# KiCad board HPM62_63_144_ADC_EVK_RevB.kicad_pcb (continued)
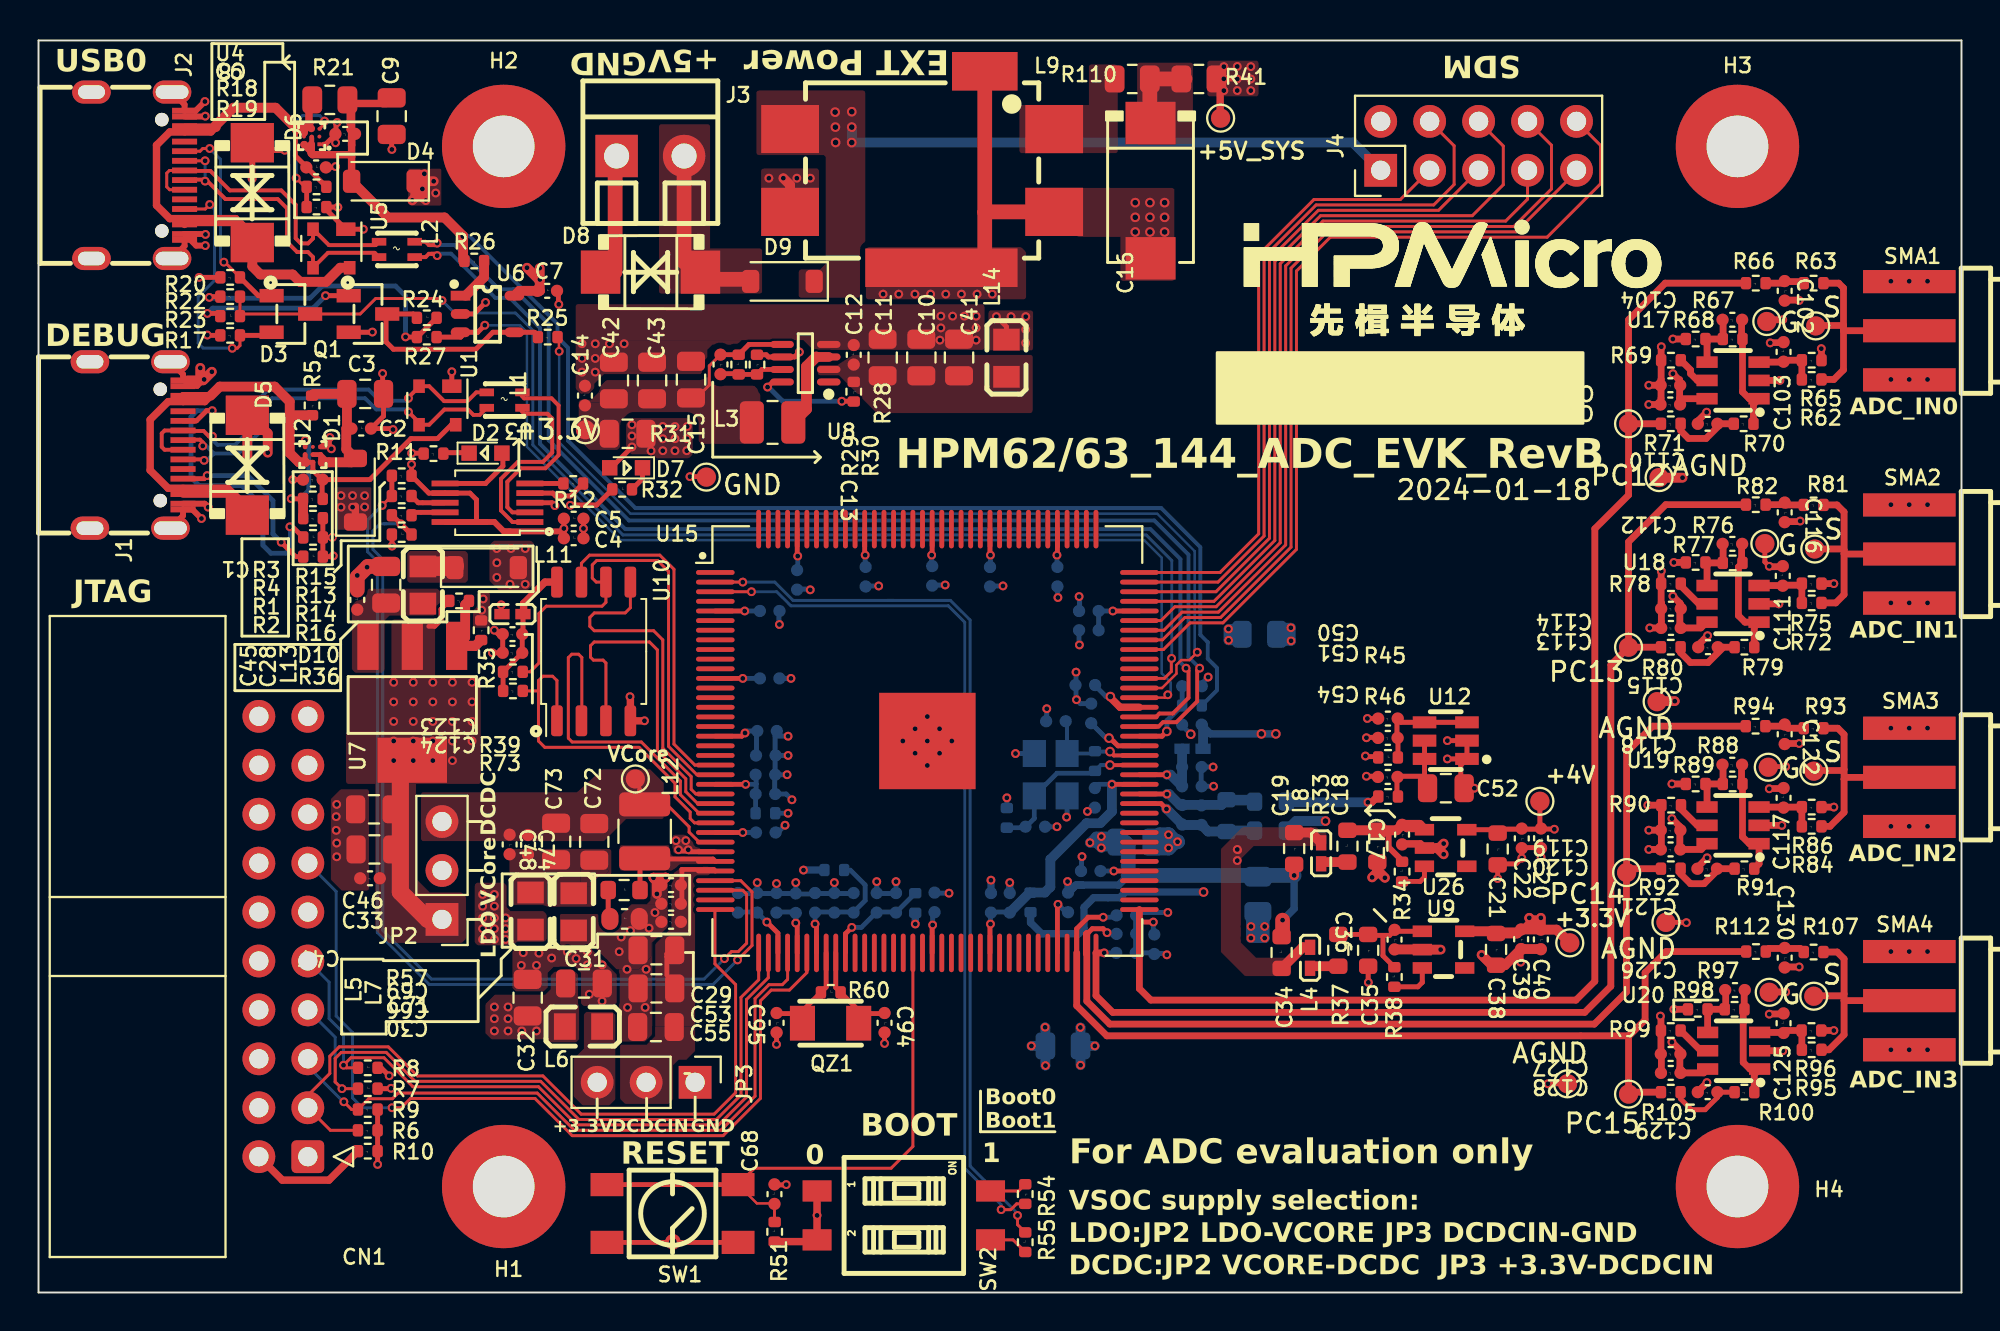
[diagram p0: board, top side]
## Library data of the parts (continued)
R71 R80 R92 R105 = -: Description: Resistor; Company: YAGEO(国巨); DNP: DNP; Model: RC0402JR-070RL
R104 = -: Description: Resistor; Company: UNI-ROYAL(厚声); Model: CQ02WGJ0105TCE
R110 = -: Description: Resistor; Company: UNI-ROYAL(厚声); Model: RS-05L1R00FT
SMA1-SMA4 = -: SuppliersPartNumber: C9900018296; uuid: std:54ec4f79ad824cb2bdc504487557a48c
SW1 = -: Company: SHOU HAN(首韩); Model: TS4540TP; SuppliersPartNumber: C221747
SW2 = -: Company: 圜达; SuppliersPartNumber: C501304
TP2-TP4 TP6 TP7 TP28 = -: Description: test point
TP11-TP13 TP15-TP25 TP29 TP30 = -: Description: test point; Category: Test and Measurement; DK_Datasheet_Link: http://www.keyelco.com/product-pdf.cfm?p=1311; DK_Detail_Page: /product-detail/en/keystone-electronics/5002/36-5002-ND/255328; Digi-Key_PN: 36-5002-ND; Family: Test Points; MPN: 5002; Manufacturer: Keystone Electronics; Status: Active
U1 = -: Description: 静电放电(ESD)保护器件; COMPONENTLINK1DESCRIPTION: ErpDataInfo; COMPONENTLINK1URL: http://erp.zlgmcu.com/ErpExt/ErpData/ListMateriel.aspx?pkey=1.05.10.0153; Company: TECH PUBLIC(台舟); ROHS: RoHS; 厂商: NXP; 名称: 集成电路; 器件优选方案: 量产物料,优先选用; 封装: SOT-143B; 物料代码: 1.05.10.0153; 设备封装名称: SOT-143B_PRTR5V0U2X; 贴片和直插: SMT
U2 U4 = -: Description: 过压保护负载开关; Company: AWINIC(艾为); SuppliersPartNumber: C506184
U3 = -: Description: USB转串口芯片; Company: WCH(南京沁恒)
U5 = -: Description: 静电放电(ESD)保护器件; Company: TECH PUBLIC(台舟)
U6 = -: Description: 功率电子开关; Company: DIODES(美台); SuppliersPartNumber: C110464
U7 = -: Description: 线性稳压器(LDO); Company: JSMSEMI(杰盛微); Model: AMS1117-ADJ
U8 = -: Description: DC-DC,降压; Company: MPS; SuppliersPartNumber: C84831; uuid: std:b583fc70ad1663cc24636fba188e0465
U9 = -: Company: TI(德州仪器); Model: TPS7A2042PDBVR; SuppliersPartNumber: C2877861; uuid: std:2e31b5861a784133b2ecb561012a4cf5
U10 = -: Description: NOR FLASH; Company: MXIC(旺宏电子)
U12 = -: Company: TI(德州仪器); SuppliersPartNumber: C882722; uuid: std:0c9ceb81bcbd48178b467e87fa28b230
U17-U20 = -: Company: TI(德州仪器); SuppliersPartNumber: C495362; uuid: std:90e4ce1759de412d9bf8c9107a5f1053
U26 = -: Company: TI(德州仪器); SuppliersPartNumber: C2877861; uuid: std:86b2ac9aec524e94ada921671f19668d
Y1 = -: Company: EPSON(爱普生); Model: X1E0000210129

## Footprints (pads in the part's own frame, mm; a bottom-side part is the same pattern mirrored in y, then rotated)
3215
  rect 1.3x1.801 smd: 1(-1.458,0) 2(1.458,0)
3225
  rect 1.4x1.2 smd: 1(-1.1,-0.85) 2(1.1,-0.85) 3(1.1,0.85) 4(-1.1,0.85)
C_0402
  round 0.635 smd: 1(-0.508,0) 2(0.508,0)
C_0603
  oval 0.889x1.143 smd: 1(-0.762,0) 2(0.762,0)
C_0805_2012Metric
  rrect 1x1.45 smd: 1(-0.95,0) 2(0.95,0)
CAP-SMD_L7.3-W4.3-R-RD
  rect 2.207x2.592 smd: 1(3.511,0) 2(-3.511,0)
CONN-TH_2P-P3.50_L7.4-W7.0
  rect 2.2x2.2 hole 1.3: 1(-1.75,0)
  round 2.2 hole 1.3: 2(1.75,0)
D_SOD-123
  rrect 0.9x1.2 smd: 1(-1.65,0) 2(1.65,0)
eLQFP144L_22x22_P0.5mm_EP5x5mm
  rrect 1.13x1.13 smd: (-1.676,1.676) (-1.674,0) (-1.674,-1.674) (0,1.676) (0,-1.674) (0.025,0.076) (1.6,0.152) (1.674,-1.674) (1.676,1.676)
  oval 2x0.25 smd: 1(-11,8.75) 2(-11,8.25) 3(-11,7.75) 4(-11,7.25) 5(-11,6.75) 6(-11,6.25) 7(-11,5.75) 8(-11,5.25) 9(-11,4.75) 10(-11,4.25) 11(-11,3.75) 12(-11,3.25) 13(-11,2.75) 14(-11,2.25) 15(-11,1.75) 16(-11,1.25) 17(-11,0.75) 18(-11,0.25) 19(-11,-0.25) 20(-11,-0.75) 21(-11,-1.25) 22(-11,-1.75) 23(-11,-2.25) 24(-11,-2.75) 25(-11,-3.25) 26(-11,-3.75) 27(-11,-4.25) 28(-11,-4.75) 29(-11,-5.25) 30(-11,-5.75) 31(-11,-6.25) 32(-11,-6.75) 33(-11,-7.25) 34(-11,-7.75) 35(-11,-8.25) 36(-11,-8.75) 73(11,-8.75) 74(11,-8.25) 75(11,-7.75) 76(11,-7.25) 77(11,-6.75) 78(11,-6.25) 79(11,-5.75) 80(11,-5.25) 81(11,-4.75) 82(11,-4.25) 83(11,-3.75) 84(11,-3.25) 85(11,-2.75) 86(11,-2.25) 87(11,-1.75) 88(11,-1.25) 89(11,-0.75) 90(11,-0.25) 91(11,0.25) 92(11,0.75) 93(11,1.25) 94(11,1.75) 95(11,2.25) 96(11,2.75) 97(11,3.25) 98(11,3.75) 99(11,4.25) 100(11,4.75) 101(11,5.25) 102(11,5.75) 103(11,6.25) 104(11,6.75) 105(11,7.25) 106(11,7.75) 107(11,8.25) 108(11,8.75)
  oval 0.25x2 smd: 37(-8.75,-11) 38(-8.25,-11) 39(-7.75,-11) 40(-7.25,-11) 41(-6.75,-11) 42(-6.25,-11) 43(-5.75,-11) 44(-5.25,-11) 45(-4.75,-11) 46(-4.25,-11) 47(-3.75,-11) 48(-3.25,-11) 49(-2.75,-11) 50(-2.25,-11) 51(-1.75,-11) 52(-1.25,-11) 53(-0.75,-11) 54(-0.25,-11) 55(0.25,-11) 56(0.75,-11) 57(1.25,-11) 58(1.75,-11) 59(2.25,-11) 60(2.75,-11) 61(3.25,-11) 62(3.75,-11) 63(4.25,-11) 64(4.75,-11) 65(5.25,-11) 66(5.75,-11) 67(6.25,-11) 68(6.75,-11) 69(7.25,-11) 70(7.75,-11) 71(8.25,-11) 72(8.75,-11) 109(8.75,11) 110(8.25,11) 111(7.75,11) 112(7.25,11) 113(6.75,11) 114(6.25,11) 115(5.75,11) 116(5.25,11) 117(4.75,11) 118(4.25,11) 119(3.75,11) 120(3.25,11) 121(2.75,11) 122(2.25,11) 123(1.75,11) 124(1.25,11) 125(0.75,11) 126(0.25,11) 127(-0.25,11) 128(-0.75,11) 129(-1.25,11) 130(-1.75,11) 131(-2.25,11) 132(-2.75,11) 133(-3.25,11) 134(-3.75,11) 135(-4.25,11) 136(-4.75,11) 137(-5.25,11) 138(-5.75,11) 139(-6.25,11) 140(-6.75,11) 141(-7.25,11) 142(-7.75,11) 143(-8.25,11) 144(-8.75,11)
  rect 5x5 smd: 145(0,0)
FCQFN-9
  rect 0.2x0.2 smd: A1(-0.4,0.4)
  round 0.2 smd: A2(0,0.4) A3(0.4,0.4) B1(-0.4,0) B2(0,0) B3(0.4,0) C1(-0.4,-0.4) C2(0,-0.4) C3(0.4,-0.4)
FILTER-SMD_BNX022-01L
  rect 3x2.5 smd: 1(-6.85,2.1) 2(6.85,2.1) 3(-6.85,-2.2) 4(6.85,-2.2)
  rect 3.4x2 smd: 5(3.25,5.1)
  rect 7.9x2 smd: 6(1,-5.1)
IDC-Header_2x10_P2.54mm_Horizontal
  rrect 1.7x1.7 hole 1: 1(0,0)
  round 1.7 hole 1: 2(2.54,0) 3(0,-2.54) 4(2.54,-2.54) 5(0,-5.08) 6(2.54,-5.08) 7(0,-7.62) 8(2.54,-7.62) 9(0,-10.16) 10(2.54,-10.16) 11(0,-12.7) 12(2.54,-12.7) 13(0,-15.24) 14(2.54,-15.24) 15(0,-17.78) 16(2.54,-17.78) 17(0,-20.32) 18(2.54,-20.32) 19(0,-22.86) 20(2.54,-22.86)
L0402
  rect 0.79x0.54 smd: 1(-0.545,0) 2(0.545,0)
L0805
  rect 1.133x1.377 smd: 1(-0.966,0) 2(0.966,0)
L2012
  rect 0.4x0.75 smd: 1(-0.4,-0.925) 2(-0.4,0.925) 3(0.4,0.925) 4(0.4,-0.925)
L_1008_2520Metric
  rrect 1.25x2.2 smd: 1(-1.075,0) 2(1.075,0)
L_1210_3225Metric
  rrect 1.25x2.65 smd: 1(-1.4,0) 2(1.4,0)
LED_0603
  rect 0.8x0.8 smd: 1(0.851,0) 2(-0.851,0)
MountingHole_3.2mm_M3_Pad
  round 6.4 hole 3.2: 1(0,0)
MSOP-10
  rect 1.4x0.3 smd: 1(-2.2,1) 2(-2.2,0.5) 3(-2.2,0) 4(-2.2,-0.5) 5(-2.2,-1) 6(2.2,-1) 7(2.2,-0.5) 8(2.2,0) 9(2.2,0.5) 10(2.2,1)
PinHeader_1x03_P2.54mm_Vertical
  rect 1.7x1.7 hole 1: 1(0,0)
  oval 1.7x1.7 hole 1: 2(0,-2.54) 3(0,-5.08)
PinHeader_2x05_P2.54mm_Vertical
  rect 1.7x1.7 hole 1: 1(0,0)
  oval 1.7x1.7 hole 1: 2(2.54,0) 3(0,-2.54) 4(2.54,-2.54) 5(0,-5.08) 6(2.54,-5.08) 7(0,-7.62) 8(2.54,-7.62) 9(0,-10.16) 10(2.54,-10.16)
R_0402_1005Metric
  rrect 0.54x0.64 smd: 1(-0.51,0) 2(0.51,0)
R_0603_1608Metric
  rrect 0.8x0.95 smd: 1(-0.825,0) 2(0.825,0)
R_0805_2012Metric
  rrect 1.025x1.4 smd: 1(-0.912,0) 2(0.912,0)
SMA-SMD_BWSMA-KE-P001
  rect 4.8x1.2 smd: 1(0,-2.55) 2(0,2.55) 5(0,0)
  rect 4.8x1.2 smd far side: 3(0,2.55) 4(0,-2.55)
SMB_(DO-214AA)
  rect 2.047x2.241 smd: 1(-2.591,0) 2(2.591,0)
SOIC8_208mil
  rrect 1.6x0.6 smd: 1(-3.6,1.905) 2(-3.6,0.635) 3(-3.6,-0.635) 4(-3.6,-1.905) 5(3.6,-1.905) 6(3.6,-0.635) 7(3.6,0.635) 8(3.6,1.905)
SOT-23
  rect 1.25x0.7 smd: 1(1,-0.95) 2(1,0.95) 3(-1,0)
SOT-23-5
  rect 1.016x0.508 smd: 1(-1.397,0.95)
  oval 1.016x0.508 smd: 2(-1.397,0) 3(-1.397,-0.95) 4(1.397,-0.95) 5(1.397,0.95)
SOT-23-5_L2.9-W1.6-P0.95-LS2.8-BR
  rect 1x0.6 smd: 1(1.1,-0.95) 2(1.1,0) 3(1.1,0.95) 4(-1.1,0.95) 5(-1.1,-0.95)
SOT-23-6_L2.9-W1.6-P0.95-LS2.8-BR
  rect 1.1x0.6 smd: 1(1.35,-0.95) 2(1.35,0) 3(1.35,0.95) 4(-1.35,0.95) 5(-1.35,0) 6(-1.35,-0.95)
SOT-143
  rect 0.7x1 smd: 1(-1,0.75)
  rect 0.7x0.6 smd: 2(-1,-0.95) 3(1,-0.95) 4(1,0.95)
SOT-223-3
  rect 2.5x1.1 smd: 1(2.97,-2.3) 2(2.97,0) 3(2.97,2.3)
  rect 2.34x3.6 smd: 4(-2.97,0)
SW-SMD_DM-02-V
  rect 1.1x1.501 smd: 1(-1.27,-4.501) 2(1.27,-4.501) 3(1.27,4.501) 4(-1.27,4.501)
TestPoint_Pad_D1.0mm
  round 1 smd: 1(0,0)
TSOT-23-6_L2.9-W1.6-P0.95-LS2.8-TL
  rect 1.219x0.622 smd: 1(-1.1,0.95) 2(-1.1,0) 3(-1.1,-0.95) 4(1.1,-0.95) 5(1.1,0) 6(1.1,0.95)
TSOT-23-8_L2.9-W1.6-P0.65-LS2.8-BR
  oval 1.222x0.364 smd: 1(1.211,-0.975) 2(1.211,-0.325) 3(1.211,0.325) 4(1.211,0.975) 5(-1.211,0.975) 6(-1.211,0.325) 7(-1.211,-0.325) 8(-1.211,-0.975)
TYPE-C-16P
  round 0.7 hole 0.7 unplated: (-2.89,1.235) (2.89,1.235)
  oval 1.2x2 hole 0.7x1.7: 1(-4.32,1.765) 2(4.32,1.765)
  oval 1.2x2 hole 0.7x1.4: 3(-4.32,-2.415) 4(4.32,-2.415)
  rect 0.3x1.3 smd: A1(-3.35,2.415) A4(-2.55,2.415) A5(-1.25,2.415) A6(-0.25,2.415) A7(0.25,2.415) A8(1.25,2.415) A9(2.55,2.415) A12(3.35,2.415) B1(3.05,2.415) B4(2.25,2.415) B5(1.75,2.415) B6(0.75,2.415) B7(-0.75,2.415) B8(-1.75,2.415) B9(-2.25,2.415) B12(-3.05,2.415)
轻触开关SMD-4P,4.5x4.5mm
  rect 1.699x1.199 smd: 1(-3.401,-1.501) 2(3.401,-1.501) 3(3.401,1.501) 4(-3.401,1.501)

## Nets
5V_Debug: C1.1 D5.2 J1.A4 J1.A9 J1.B4 J1.B9 R3.1 R5.2 U1.4 U2.B3 U2.C2 U2.C3
5V_SYS: C19.1 C34.1 L4.1 L8.1 L14.1 R41.2 TP2.1
+3.3VADC: C38.1 C39.1 C40.1 C75.1 L10.1 R52.2 TP4.1 U9.5
+3V3: C4.1 C5.1 C31.1 C32.1 C37.1 C98.1 C99.1 C100.1 CN1.1 D7.2 D10.2 L6.1 L11.2 R6.1 R7.2 R9.1 R10.1 R15.1 R16.1 R22.2 R24.2 R27.1 R31.1 R49.1 R50.1 R51.1 R64.2 SW2.1 SW2.2 U3.7 U3.10 U15.12 U15.94 U15.120 U15.133
+4V_OPA: C20.1 C21.1 C22.1 C105.1 C108.1 C113.1 C114.1 C119.1 C120.1 C127.1 C128.1 R45.1 TP6.1 U17.6 U18.6 U19.6 U20.6 U26.5
+5V: C7.1 D1.1 D4.1 D9.1 J4.1 L9.1 U6.5
GND: C1.2 C2.2 C3.2 C4.2 C5.2 C6.2 C7.2 C8.2 C9.2 C10.2 C11.2 C12.2 C14.2 C15.2 C16.2 C19.2 C27.2 C28.2 C31.2 C32.2 C33.2 C34.2 C37.2 C41.2 C42.2 C43.2 C44.2 C45.2 C46.2 C47.2 C57.2 C58.2 C59.2 C60.2 C61.2 C62.2 C63.2 C64.2 C67.2 C68.2 C70.2 C78.2 C80.2 C81.2 C83.2 C84.2 C85.2 C87.2 C88.2 C89.2 C90.2 C91.2 C92.2 C93.2 C94.2 C95.2 C96.2 C98.2 C99.2 C100.2 C101.2 C106.2 C107.2 C109.2 C123.2 C124.2 CN1.4 CN1.6 CN1.8 CN1.10 CN1.12 CN1.14 CN1.16 CN1.18 CN1.20 D5.1 D6.1 D8.1 J1.1 J1.2 J1.3 J1.4 J1.A1 J1.A12 J1.B1 J1.B12 J2.1 J2.2 J2.3 J2.4 J2.A1 J2.A12 J2.B1 J2.B12 J3.1 J4.2 L5.1 L9.3 L9.4 L9.5 L9.6 Q1.2 R1.2 R2.2 R4.1 R8.2 R11.2 R17.2 R19.1 R20.2 R30.1 R32.1 R35.1 R40.1 R42.1 R43.1 R104.2 R106.1 SW1.1 SW1.2 TP7.1 U1.1 U2.A1 U3.3 U4.A1 U5.1 U6.2 U8.4 U8.6 U10.4 U15.145 Y1.2 Y1.4
GNDA: C17.2 C18.2 C20.2 C21.2 C22.2 C23.2 C24.2 C25.2 C26.2 C35.2 C36.2 C38.2 C39.2 C40.2 C50.2 C51.2 C52.2 C54.2 C75.2 C76.2 C77.2 C102.2 C103.2 C105.2 C108.2 C110.2 C111.2 C113.2 C114.2 C115.2 C116.2 C117.2 C119.2 C120.2 C121.2 C122.2 C125.2 C127.2 C128.2 C129.2 C130.2 R40.2 R42.2 R43.2 R61.2 R65.1 R68.2 R69.2 R75.1 R77.2 R78.2 R86.1 R89.2 R90.2 R96.1 R98.2 R99.2 R106.2 SMA1.1 SMA1.2 SMA1.3 SMA1.4 SMA2.1 SMA2.2 SMA2.3 SMA2.4 SMA3.1 SMA3.2 SMA3.3 SMA3.4 SMA4.1 SMA4.2 SMA4.3 SMA4.4 TP11.1 TP13.1 TP16.1 TP18.1 TP20.1 TP22.1 TP24.1 TP29.1 U9.2 U12.1 U12.2 U17.2 U18.2 U19.2 U20.2 U26.2
VBAT: C63.1 C64.1 R50.2 U15.46
VBUS: C8.1 C9.1 D4.2 R21.1 R26.2 R83.1 U4.A2 U4.A3 U4.B2
VDD_OTPCAP_2V5: C59.1 C60.1 U15.39
VDD_PMCCAP_1V1: C61.1 C62.1 U15.41
/ADC_Signal_IN/ADC_IN0: C26.1 R66.2 R71.2 TP15.1 U15.73
/ADC_Signal_IN/ADC_IN1: C25.1 R80.2 R82.2 TP19.1 U15.72
/ADC_Signal_IN/ADC_IN2: C24.1 R92.2 R94.2 TP23.1 U15.71
/ADC_Signal_IN/ADC_IN3: C23.1 R105.2 R112.2 TP30.1 U15.70
/ADC_Signal_IN/IN0: R62.1 R63.1 SMA1.5 TP12.1
/ADC_Signal_IN/IN1: R72.1 R81.1 SMA2.5 TP17.1
/ADC_Signal_IN/IN2: R84.1 R93.1 SMA3.5 TP21.1
/ADC_Signal_IN/IN3: R95.1 R107.1 SMA4.5 TP25.1
/DEBUG/DN1: J1.A7 J1.B7 L1.1 U1.2
/DEBUG/DP1: J1.A6 J1.B6 L1.4 U1.3
/DEBUG/PY0_JTAG_TDO: CN1.13 U15.42
/DEBUG/PY1_JTAG_TDI: CN1.5 R9.2 U15.40
/DEBUG/PY2_JTAG_TCK: CN1.9 R8.1 U15.38
/DEBUG/PY3_JTAG_TMS: CN1.7 R7.1 U15.37
/DEBUG/PY4_JTAG_TRST: CN1.3 R6.2 U15.36
/DEBUG/PY6_URT0.TXD: R14.2 R16.2 U15.34
/DEBUG/PY7_URT0.RXD: R13.2 R15.2 U15.33
/DEBUG/USB2UART_N: L1.2 U3.2
/DEBUG/USB2UART_P: L1.3 U3.1
/HPM6200-IO2/CA_CS0: R73.1 U10.1 U15.27
/HPM6200-IO2/CA_D0: U10.5 U15.24
/HPM6200-IO2/CA_D1: U10.2 U15.26
/HPM6200-IO2/CA_D2: U10.3 U15.25
/HPM6200-IO2/CA_D3: U10.7 U15.21
/HPM6200-IO2/CA_SCLK: R39.1 U10.6 U15.22
/HPM6200-IO4/PA20: R54.2 U15.3
/HPM6200-IO4/PA21: R55.2 U15.2
/HPM6200-IO4/PB22: J4.3 U15.108
/HPM6200-IO4/PB23: J4.4 U15.107
/HPM6200-IO4/PB24: J4.5 U15.106
/HPM6200-IO4/PB25: J4.6 U15.105
/HPM6200-IO4/PB26: J4.7 U15.103
/HPM6200-IO4/PB27: J4.8 U15.102
/HPM6200-IO4/PB28: J4.9 U15.101
/HPM6200-IO4/PB29: J4.10 U15.100
/HPM6200-IO4/USB0_ID: D3.3 R22.1 R23.2 U15.97
/HPM6200-IO4/USB0_OC: R27.2 U6.3 U15.95
/HPM6200-IO4/USB0_PWR: R25.1 U15.96
/HPM6200-OSC-USB/USB0_DN: L2.3 U15.93
/HPM6200-OSC-USB/USB0_DP: L2.2 U15.92
/HPM6200-POWER/VANA: C76.1 C77.1 L10.2 U15.87
/HPM6200-POWER/VCore1: C48.1 C72.1 C73.1 C74.1 JP2.3 L12.1 TP28.1 U15.29
/HPM6200-VPMC-VBAT/BUTTON_RESET_N: C68.1 R51.2 SW1.3 SW1.4 U15.53
/Power/DCDC_3.3V: C13.1 C14.1 C15.1 C42.1 C43.1 L3.1 R29.2 R31.2 TP3.1 U8.5
/Power/SW: L3.2 U8.3
/USB/DN: J2.A7 J2.B7 L2.4 U5.3
/USB/DP: J2.A6 J2.B6 L2.1 U5.2
/USB/VUSB_IN: C6.1 D6.2 J2.A4 J2.A9 J2.B4 J2.B9 R18.1 R21.2 U4.B3 U4.C2 U4.C3 U5.4
/VCore: C33.1 C46.1 C47.1 JP2.1 R36.2 U7.2 U7.4
DCDC_GND0: C29.2 C30.2 C48.2 C53.2 C55.2 C66.2 C69.2 C71.2 C72.2 C73.2 C74.2 JP3.1 L5.2 L7.1 L7.2 U15.30
VCore: C27.1 C78.1 C80.1 C81.1 C83.1 C84.1 C85.1 C87.1 C88.1 C89.1 C90.1 C91.1 C96.1 JP2.2 U15.5 U15.18 U15.28 U15.55 U15.68 U15.77 U15.90 U15.104 U15.113 U15.126 U15.140
VREFH: R46.2 R58.2
Net-(C16-Pad1): C16.1 R41.1 R110.2
Net-(C71-Pad1): C71.1 R57.1
Net-(C101-Pad1): C70.1 C101.1 C107.1 R52.1 U15.61 U15.86
Net-(C102-Pad1): C102.1 R63.2 R66.1
Net-(C110-Pad1): C110.1 R70.2 R71.1
Net-(C115-Pad1): C115.1 R79.2 R80.1
Net-(C116-Pad1): C116.1 R81.2 R82.1
Net-(C121-Pad1): C121.1 R91.2 R92.1
Net-(C122-Pad1): C122.1 R93.2 R94.1
Net-(C129-Pad1): C129.1 R100.2 R105.1
Net-(C130-Pad1): C130.1 R107.2 R112.1
Net-(CN1-Pad2): CN1.2 R10.2
Net-(D1-A): C2.1 C3.1 D1.2 R5.1 U2.A2 U2.A3 U2.B2
Net-(D2-A): D2.2 U3.6
Net-(D2-K): D2.1 R11.1
Net-(D7-K): D7.1 R32.2
Net-(D9-A): D8.2 D9.2 J3.2
Net-(D10-K): D10.1 L13.1
Net-(J1-CC1): J1.A5 R1.1
Net-(J1-CC2): J1.B5 R2.1
Net-(J2-CC1): D3.1 J2.A5 R20.1
Net-(J2-CC2): D3.2 J2.B5 R17.1
Net-(JP3-B): JP3.3 L6.2
Net-(JP3-C): C29.1 C30.1 C53.1 C55.1 C66.1 C69.1 JP3.2 U15.32
Net-(L4-Pad2): L4.2 R37.1
Net-(L8-Pad2): L8.2 R33.1
Net-(L9-CB): L9.2 R110.1
Net-(Q1-D): Q1.3 R24.1 R25.2 U6.4
Net-(Q1-G): Q1.1 R23.1
Net-(QZ1-OSC1): C94.1 QZ1.1 R60.2 U15.45
Net-(QZ1-OSC2): C95.1 QZ1.2 R60.1 U15.44
Net-(SW2-PIN3): R55.1 SW2.3
Net-(SW2-PIN4): R54.1 SW2.4
Net-(U2-OVLO): R3.2 R4.2 U2.C1
Net-(U3-RXD): R14.1 U3.9
Net-(U3-TXD): R13.1 U3.8
Net-(U3-~{CTS}): R12.2 U3.5
Net-(U3-~{RTS}): R12.1 U3.4
Net-(U4-OVLO): R18.2 R19.2 U4.C1
Net-(U6-OUT): R26.1 U6.1
Net-(U7-ADJ(GND)): R35.2 R36.1 U7.1
Net-(U7-VIN): C28.1 C45.1 L13.2 U7.3
Net-(U8-EN): R28.2 U8.8
Net-(U8-FB): C13.2 R29.1 R30.2 U8.7
Net-(U8-VIN): C10.1 C11.1 C12.1 C41.1 L14.2 R28.1 U8.2
Net-(U9-EN): R38.1 U9.3
Net-(U9-IN): C35.1 C36.1 R37.2 R38.2 U9.1
Net-(U10-VCC): C123.1 C124.1 L11.1 R39.2 R73.2 U10.8
Net-(U12-ENABLE): C50.1 C51.1 R45.2 U12.3 U12.4
Net-(U12-OUT_F): C52.1 C54.1 R46.1 U12.5 U12.6
Net-(U15A-DCDC_LP): L12.2 R57.2 U15.31
Net-(U15A-VREFH): C79.1 C82.1 C86.1 R58.1 U15.85
Net-(U15A-VREFL): C79.2 C82.2 C86.2 R61.1 U15.84
Net-(U15C-VPMC): C57.1 C58.1 C67.1 R49.2 U15.43
Net-(U15F-VIO_00): C106.1 C109.1 R64.1 U15.23
Net-(U15G-USBVBUS): C44.1 R83.2 U15.91
Net-(U15G-XTALI): C92.1 R59.2 R104.1 U15.88 Y1.3
Net-(U15G-XTALO): C93.1 R59.1 U15.89 Y1.1
Net-(U17-+IN): C103.1 R62.2 R65.2 U17.3
Net-(U17--IN): C104.2 R67.2 R68.1 U17.4
Net-(U17-MODE): R69.1 U17.5
Net-(U17-OUT): C104.1 R67.1 R70.1 U17.1
Net-(U18-+IN): C111.1 R72.2 R75.2 U18.3
Net-(U18--IN): C112.2 R76.2 R77.1 U18.4
Net-(U18-MODE): R78.1 U18.5
Net-(U18-OUT): C112.1 R76.1 R79.1 U18.1
Net-(U19-+IN): C117.1 R84.2 R86.2 U19.3
Net-(U19--IN): C118.2 R88.2 R89.1 U19.4
Net-(U19-MODE): R90.1 U19.5
Net-(U19-OUT): C118.1 R88.1 R91.1 U19.1
Net-(U20-+IN): C125.1 R95.2 R96.2 U20.3
Net-(U20--IN): C126.2 R97.2 R98.1 U20.4
Net-(U20-MODE): R99.1 U20.5
Net-(U20-OUT): C126.1 R97.1 R100.1 U20.1
Net-(U26-EN): R34.1 U26.3
Net-(U26-IN): C17.1 C18.1 R33.2 R34.2 U26.1

Pads without a net: CN1 11 15 17 19; H1 1; H2 1; H3 1; H4 1; J1 A8 B8; J2 A8 B8; U2 B1; U4 B1; U8 1; U9 4; U15 1 4 6 7 8 9 10 11 13 14 15 16 17 19 20 35 47 48 49 50 51 52 54 56 57 58 59 60 62 63 64 65 66 67 69 74 75 76 78 79 80 81 82 83 98 99 109 110 111 112 114 115 116 117 118 119 121 122 123 124 125 127 128 129 130 131 132 134 135 136 137 138 139 141 142 143 144; U26 4

## Via types
v1: diameter 0.457, hole 0.254, Top to Bottom, 449 vias
v2: diameter 0.5, hole 0.3, Top to Bottom, 26 vias
v3: diameter 0.457, hole 0.3, Top to Bottom, 1 via
v4: diameter 0.8, hole 0.4, Top to Bottom, 1 via

## Routing (per net, layer and track width the routed paths; a pad name or vN(x,y) marks a point on that pad's centre or on a via; arc(x,y) is an arc through that point)
5V_Debug: length 37.6
  Top w0.254: U2.C2 U2.C3 U2.B3 14.23,42.68 14.71,42.2 ; 14.71,42.2 17.19,42.2 19.32,44.33 20.7,44.33 21.42,45.05 U1.4 ; 14.71,42.2 14.71,41.23 R3.1
  Top w0.381: J1.A9 10.12,41.45 10.83,40.74 9.82,41.75 J1.B4 6.73,41.75 5.79,42.69 5.79,45.31 6.73,46.25 8.62,46.25 8.93,46.56 7.5,46.56 7.49,46.55
  Top w0.508: R5.2 13.15,45.54 ; 8.93,46.56 9.4,47.03 12.25,47.03 13.03,46.25 13.03,43.58 13.51,43.1 U2.C3
5V_SYS: length 51.8
  Top w0.25: 50.22,49.77 50.22,50.14 v1(49.69,50.66)
  Top w0.254: 61.3,63 v1(62.19,63)
  Top w0.381: 61.3,63 61.3,60.94 ; 65.06,23.95 C19.1 ; v1(62.19,23) 62.24,22.95
  Top w0.508: L4.1 65.58,17.92 C34.1 ; L8.1 66.01,23.88 C19.1
  In2.Cu w0.762: v1(61.49,62.4) 59.64,62.4 59.64,34.8 61.51,32.93 61.51,29.47 60.09,28.05 60.09,25.1 v1(62.19,23) v1(62.19,22.42)
  vias: v1(50.45,50.66) v1(51.22,50.66) v1(51.21,49.99) v1(51.21,49.29) v1(61.49,63.64) v1(61.49,63.01) v1(62.19,63.65) v1(62.19,62.4) v1(62.89,63.64) v1(62.89,63) v1(62.89,62.4)
+3.3VADC: length 33.4
  Top w0.25: v1(77.94,19.45) v1(77.34,19.45) 77.34,19.27 C39.1
  Top w0.254: v1(77.94,19.45) 77.94,18.81 ; 77.94,18.81 76.92,18.81 76.92,18.82 75.84,18.82 75.61,18.59 75.45,18.75 U9.5 ; 77.94,18.81 78.78,18.81 TP4.1
  Top w0.508: C40.1 78.75,18.84 TP4.1 ; C40.1 77.93,18.85 C39.1 76.71,18.64 C38.1 75.5,18.75 U9.5 ; C40.1 77.34,19.44 v1(77.34,19.45) ; C40.1 v1(77.94,19.45)
  Bottom w0.25: 51.39,19.75 51.42,19.72 ; 51.39,19.74 51.41,19.71 ; 60.33,28.36 60.42,28.28
  Bottom w0.254: L10.1 60.33,28.31 60.33,29.46 60.31,29.48
  Bottom w0.381: v2(64.19,29) v2(63.44,29) 60.8,29 60.31,29.48 ; R52.2 51.46,19.2 52.04,18.62 53.96,18.62 54.24,18.9 54.24,20 54.74,20.5 56.1,20.5 56.39,20.79 v2(60.44,20.79)
  Bottom w0.508: C75.1 60.42,29.41 L10.1
+3V3: length 69.1
  Top w0.25: U15.12 v1(36.53,31.88) ; U15.133 42.86,38.31 v1(42.88,38.28) ; D7.2 29.71,42.81 v1(30.79,43.89) ; v1(8.86,51.66) 8.9,51.7 R22.2 ; R15.1 v1(19.35,42.99) ; R27.1 19.05,49.6 v1(19.04,49.61) ; U15.120 49.36,38.31 v1(49.39,38.28) ; C5.1 C4.1
  Top w0.254: v1(24,35.7) 24,35.26 L11.2 ; R7.2 18.27,10.58 v1(18.29,10.6) ; U3.10 22.72,40 22.72,41.16 22.38,41.5 U3.7 20.25,41.5 R15.1 ; R16.1 18.34,39.34 v1(18.34,38.75) ; R9.1 R6.1 R10.1 v1(17.59,6.65) ; R27.1 19.65,49.6 R24.2 ; 27.25,39.51 C4.1
  Top w0.305: 22.72,40 23.24,40 ; 23.24,40 U3.10 ; 23.24,40 23.65,40 24.14,39.51 24.46,39.51 ; 24.46,39.51 27.25,39.51 ; 24.46,39.51 24.23,39.51
  Top w0.381: U15.94 56.11,30.38 55.61,30.88 v2(55.61,30.94) ; R51.1 40.3,2.64 SW2.2 v1(40.39,4) SW2.1
  In2.Cu w0.254: v1(17.59,6.65) 17.61,6.67 ; 18.21,10.52 v1(18.29,10.6)
  In2.Cu w0.381: 18.28,10.61 v1(18.29,10.6) ; 37.25,21.93 36.88,21.93
  In2.Cu w0.508: v1(39.68,21.93) 40,21.61 40,20.84 38.51,19.34 38.51,18.4 ; v1(39.68,21.93) 39.75,22 39.75,24.32 39.19,24.88 v1(38.88,24.88) ; v1(39.68,21.93) 36.02,21.93 ; v1(17.59,6.65) 17.19,7.05 CN1.1
  Bottom w0.25: v1(49.39,38.28) 49.39,37.66 ; v1(19.04,49.61) 19.04,51.73 18.52,52.25 14.71,52.25 14.08,51.62 8.9,51.62 v1(8.86,51.66) ; 37.45,31.88 v1(36.53,31.88) ; R64.2 v1(38.88,24.88) ; v1(42.88,38.28) 42.88,37.67
  Bottom w0.254: 54.79,31.54 55.39,30.94 v2(55.61,30.94)
  Bottom w0.381: R50.1 v1(45.48,19.13) ; 40.46,21.93 v1(39.68,21.93)
  vias: v1(23.65,14.82) v1(23.65,14.21) v1(23.65,13.58) v1(23.77,38.62) v1(23.77,37.89) v1(23.77,37.12) v1(24.36,14.82) v1(24.36,14.21) v1(24.36,13.58) v1(24.51,38.62) v1(24.46,36.77) v1(25.07,13.58) v1(25.25,38.62) v1(25.25,36.77) v1(25.83,13.58) v1(27.25,39.66) v1(30.78,45.05) v1(30.78,44.46) v1(31.78,43.69) v1(32.38,44.96) v1(32.38,44.32) v1(32.38,43.7) v1(33.02,44.96) v1(33.02,44.32) v1(33.02,43.7) v1(33.63,43.7) v1(33.66,44.96) v1(33.64,44.33)
+4V_OPA: length 20.4
  Top w0.254: 77.95,24.06 78.63,24.06 v1(78.64,24.05) ; 77.95,24.06 77.89,24.12 TP6.1 ; 77.95,24.06 77.95,24.06 75.95,24.06 75.7,23.8 75.48,24.03 U26.5 ; 69.51,27.82 68.87,27.82 v1(68.84,27.85)
  Top w0.349: U18.6 86.54,34.8 86.24,34.5 85.17,34.5 85.15,34.52 85.15,35.8 ; 85.15,11.64 85.39,11.4 86.39,11.4 U20.6 ; U17.6 85.16,46.4 85.13,46.42 85.14,46.43 85.14,47.4 ; v1(84.74,24.6) 85.15,24.19 85.15,23 86.26,23 U19.6 ; 85.16,11.4 85.15,11.41 85.15,12.59 v1(84.74,13) ; 85.14,47.1 85.14,47.35 v1(84.79,47.7) ; 85.17,35.5 85.17,35.77 v1(84.79,36.15)
+5V: length 36.9
  Top w0.254: v1(26.01,52.59) 26.01,52
  Top w0.381: 16.44,40.82 D1.1
  Top w0.508: v1(19.39,56.7) 19.54,56.85 D4.1 ; U6.5 24.94,52 26.01,52 26,52.01 v1(26,53.18) ; v1(26.01,52.59) 25.95,52.59 v1(25.34,53.2) ; D4.1 v1(20.5,57.69) ; D4.1 19.99,57.24 19.99,56.8
  Bottom w0.508: J4.1 68.19,59.7 v2(42.19,59.7) v2(42.19,60.5)
  vias: v1(15.69,41.37) v1(15.69,40.77) v1(16.29,41.37) v1(16.29,40.77) v1(16.92,41.37) v1(16.92,40.78) v1(19.91,57.29) v1(20.02,58.08) v1(20.09,56.69) v1(20.6,57.08) v2(41.33,61.28) v2(41.34,60.5) v2(41.35,59.7) v2(42.19,61.3)
GND: length 156.7
  Top w0.203: 14.86,44.13 14.63,43.91 U2.A1 ; 14.86,44.13 v1(15.11,44.39) ; 14.86,44.13 14.94,44.05 ; v1(15.11,44.39) 14.94,44.22 14.94,44.05 ; v1(15.11,44.39) 15.11,43.88 v1(15.19,43.8) 14.94,44.05
  Top w0.25: C5.2 C4.2 ; U3.3 26.64,41 v1(26.79,40.85) ; R11.2 19.96,43.57 v1(19.36,43.57) ; SW1.1 SW1.2 ; 29.91,58.82 29.94,58.85
  Top w0.254: R17.2 8.77,49.69 v1(8.76,49.7) ; R4.1 R1.2 ; R1.2 v3(15.24,39.2) ; R1.2 R2.2 15.25,38.2 v1(15.29,38.24) ; R32.1 28.95,40.88 27.58,40.88 v1(27.58,40.87) ; 22.15,50.8 22.59,50.8 v1(23.19,51.4) ; v1(26.99,51.3) 26.97,51.32 26.97,52 ; 8.19,47.35 8.19,47.1 8.24,47.05 ; 8.19,47.35 8.54,47.35 8.24,47.05 ; 8.19,47.35 7.49,47.35 7.74,47.35 ; v1(17.32,49.86) 17.31,49.85 16.15,49.85 ; v1(15.41,58.45) 15.37,58.41 14.88,58.41 ; 38.18,5.58 38.77,5.58 v1(38.79,5.6) ; v1(18.39,44.8) 18.34,44.85 17.18,44.85 ; v1(17.85,47.71) 17.85,46.7 C3.2 17.9,45.5 C2.2 ; R20.2 v1(8.33,52.7) ; v1(18.33,59.34) 18.32,59.35 C9.2 ; 15.43,60.15 14.89,59.61 14.77,59.61 ; 15.43,60.15 15.43,59.71 v1(15.41,59.69) ; 15.43,60.15 15.43,60.69 v1(15.49,60.74) ; R30.1 37.75,48.68 37.86,48.57 U8.6 39.21,48.57 v1(39.47,48.83) ; v1(38.28,12.88) 38.29,12.89 38.29,13.52 ; 8.24,47.05 7.49,47.05 ; v1(21.44,47.8) U1.1 ; v1(16.85,55.2) U5.1 14.93,56.21 R19.1 15.52,56.35 v1(15.53,56.34) ; v1(15.19,43.8) 15.09,43.9 U2.A1 ; v1(33.79,42.36) 34.62,42.36 TP7.1 ; R8.2 17.78,11.66 v1(18.19,11.25) ; 13.75,42.2 v1(13.19,42.2) ; v1(23.55,33.21) C124.2 C123.2 23.85,34.18 v1(23.65,34.38) ; v1(43.89,12.93) 43.89,13.52
  Top w0.305: v1(8.66,54.93) 8.64,54.95 J2.B1 8.18,54.35 v1(8.65,54.35) ; v1(12.77,59.3) 12.76,59.31 11.09,59.31 11.09,57.83 v1(11.08,57.82) ; J2.1 7.58,61.67 J2.A1 8.15,61.35 v1(8.63,61.83) ; 7.49,40.95 8.62,40.95 v1(8.8,40.77) ; v1(8.65,61.07) 8.63,61.05 J2.B12 ; 10.83,43.18 v1(10.82,43.17) ; v1(8.45,40.18) 7.98,40.65 7.49,40.65 7.49,40.33 J1.2 ; 7.49,47.35 7.49,47.67 J1.1 ; J2.A12 7.58,54.33 J2.2
  Top w0.381: v1(30.68,30.93) 30.7,30.91 U10.4 v1(31.43,29.68)
  Top w0.508: C19.2 v1(65.14,21.65) ; v1(38.64,57.85) 38.99,57.5 L9.3 ; 7.74,47.35 8.39,47.35 v1(8.39,48) ; 8.54,47.35 v1(8.99,47.8) ; v1(11.89,43.6) 11.89,44.6 11.33,45.16 10.83,45.16 10.83,43.18
  Top w0.762: 49.09,56.07 49.12,56.1 L9.4 ; 49.09,56.07 49.09,53.21 ; 49.09,56.07 L9.5 ; v1(64.54,19.33) 64.54,18.53 C34.2 ; 29.91,52.99 29.91,58.82 ; C28.2 17.08,37.69 16.54,37.15 C45.2
  Bottom w0.25: C44.2 60.35,31.62 v1(60.68,31.95) ; v1(54,33.62) 53.98,33.64 C91.2 ; 55.76,23.18 R106.1 ; 53.41,21.31 v1(53.39,21.33)
  Bottom w0.254: 38.19,26.88 38.21,26.9 38.21,27.88 ; 38.19,26.88 v1(38.83,26.88) ; 38.19,26.88 38.19,25.88 38.78,25.88 v1(39.08,25.58) ; 53.86,30.89 53.83,30.92 v1(53.83,32.21) ; 39.35,36.52 40,36.52 v1(40.03,36.48) ; 52.19,24.18 v1(52.83,24.18) ; v1(44.48,21.33) 44.48,20.71 43.48,20.71 v1(43.48,21.33) ; v1(54.42,24.97) 54.64,25.2 54.83,25.2 ; v1(53.33,24.68) 53.36,24.7 Y1.2 ; 46.48,20.73 v1(47.23,20.73) ; 37.28,20.71 38.28,20.71 ; 37.28,20.71 36.28,20.71 ; 37.28,20.71 v1(37.28,21.28) ; 38.28,20.71 v1(38.28,21.23) ; 38.28,20.71 39.27,20.71 39.28,20.69 ; 52.86,36.68 52.86,36.11 v1(52.89,36.08) ; 41.28,20.71 40.28,20.71 40.27,20.69 39.28,20.69 ; 41.28,20.71 v1(41.28,21.28) ; 41.28,20.71 42.28,20.71 ; R104.2 v1(50.23,25.68) ; 49.36,36.68 50.03,36.68 v1(50.03,36.68) ; v1(47.03,36.73) 47.03,36.73 46.36,36.73 ; 54.01,35.38 54.01,36.11 v1(53.98,36.13) ; 39.28,20.69 v1(39.28,21.28) ; v1(38.43,34.68) 38.41,34.7 38.41,35.38 ; Y1.4 v1(50.68,27.98) ; v1(38.73,24.26) 38.35,23.88 38.21,23.88 ; v1(38.88,27.88) 38.21,27.88 ; 38.21,27.88 38.21,28.88 38.93,28.88 ; C83.2 54.05,30.57 v1(53.85,30.77) ; 52.3,29.66 52.3,30.3 ; v1(54.14,22.63) 54.11,22.61 54.11,21.88 ; 42.91,36.68 v1(43.58,36.68) ; 38.41,31.88 v1(39.03,31.88)
  Bottom w0.381: v1(64.54,19.33) 64.55,19.33 65.14,19.92 v1(65.14,21.65) ; 56.53,21.65 56.03,21.15 54.18,21.15 ; R106.1 55.67,23.09 v1(55.14,23.09) ; 54.18,21.15 53.83,21.15 53.41,20.73 ; 54.18,21.15 53.8,21.15 C88.2 53.41,21.31 ; 50.39,20.71 v1(50.39,21.28) ; v1(49.41,21.41) 49.41,20.71
  Bottom w0.508: v1(52.24,11.78) 52.23,11.78 R43.1 ; R43.1 52.23,13.75 v1(52.22,13.77) ; R43.1 v1(51.51,12.8) ; v1(55.14,23.67) 55.67,23.67 R106.1 55.43,23.38 v1(55.14,23.09) 54.87,23.35 v1(54.55,23.35) 54.86,23.67 v1(55.14,23.67) ; v1(61.74,33.86) 62.12,33.86 R40.1 62.15,34.45 v1(61.73,34.45) 61.73,33.87 v1(61.74,33.86)
  Bottom w0.762: 55.43,23.38 56.36,23.38 56.53,23.21 56.53,21.65 v1(65.14,21.65)
  vias: v1(8.59,47.4) v1(15.47,25.34) v1(15.44,24.7) v1(15.44,23.99) v1(15.47,23.33) v1(15.47,22.62) v1(16.54,37.23) v1(17.04,37.66) v1(22.99,35.42) v1(23.04,20.66) v1(23.04,20.05) v1(23.04,19.45) v1(23.04,18.89) v1(23.04,18.33) v1(23.06,36.01) v1(23.65,20.66) v1(23.65,20.05) v1(23.65,19.45) v1(23.65,18.89) v1(23.65,18.33) v1(24.23,19.45) v1(24.23,18.89) v1(24.23,18.33) v1(25.04,16.98) v1(25.15,17.64) v1(25.83,16.98) v1(25.96,17.62) v1(26.62,17.36) v1(27.43,17.69) v1(27.89,17.34) v1(28.2,49.25) v1(28.2,48.49) v1(28.2,47.78) v1(28.27,39.66) v1(28.47,17.69) v1(28.47,17.01) v1(28.57,15.48) v1(28.88,49.25) v1(28.88,48.49) v1(28.88,47.78) v1(29.24,17.01) v1(29.24,15.13) v1(29.62,49.25) v1(30.38,49.25) v1(37.89,57.85) v1(38.88,28.88) v1(39.34,57.85) v1(40.04,57.85) v1(43.81,51.83) v1(44.63,51.83) v1(44.84,28.63) v1(45.47,51.83) v1(45.47,29.27) v1(45.47,28) v1(46.11,29.9) v1(46.11,28.63) v1(46.11,27.36) v1(46.28,51.83) v1(46.81,50.69) v1(46.81,50.08) v1(46.76,49.44) v1(46.74,29.27) v1(46.74,28) v1(47.07,51.83) v1(47.42,50.69) v1(47.38,28.63) v1(47.88,51.83) v1(48.03,50.69) v1(48.69,51.83) v1(48.64,50.69) v1(48.64,50.08) v1(48.64,49.44) v1(49.48,51.83) v1(52.31,30.31) v2(56.9,56.58) v2(56.9,55.82) v2(56.9,55.06) v2(57.66,56.58) v2(57.66,55.82) v2(57.66,55.06) v2(58.42,56.58) v2(58.42,55.82) v2(58.42,55.06) v4(32.91,2.63)
GNDA: length 98.3
  Top w0.25: TP22.1 85.47,19.22 v1(85.49,19.2) ; v1(89.79,37.7) 89.56,37.93 TP16.1 ; TP29.1 v1(78.31,10.83) ; v1(90.64,27.3) 89.72,27.3
  Top w0.254: 72.71,23.1 72.68,23.08 U26.2 ; v1(77.95,22.6) 77.95,23.1 77.95,23.09 76.95,23.09 v1(76.95,22.55) 76.65,22.25 75.7,22.25 v1(75.7,21.49) ; U26.2 72.57,23.08 ; U26.2 71.65,23.08 ; 76.92,17.86 77.93,17.86 77.94,17.85 ; 76.92,17.86 76.09,17.04 75.35,17.04 v1(74.86,17.53) ; 76.92,17.86 76.92,17.17 v1(76.89,17.15) ; U12.1 U12.2 v1(73.09,28.65) ; U12.1 v1(73.09,27.7) ; U12.1 73.79,27.38 73.79,26.18 v1(74.49,26.18) ; v1(68.94,29.8) 68.95,29.8 69.52,29.8 ; 69.51,28.82 68.91,28.82 v1(68.89,28.8) ; 69.45,22.39 69.45,21.82 ; 68.98,16.99 68.98,16.11 v1(68.99,16.1) ; U9.2 70.39,17.8 70.35,17.84 ; v1(68.89,26.8) 69.52,26.8
  Top w0.349: U17.2 v1(90.34,47.35) ; v1(86.54,45.7) 86.11,45.27 86.11,45.1 ; 90.59,16.9 v1(91.34,16.9) ; U19.2 v1(90.44,24.25) ; 86.13,33.5 86.13,33.64 v1(86.59,34.1) ; v1(86.56,22.57) 86.09,22.09 86.09,22 ; v1(92.49,49) 92.5,48.99 R65.1 ; 84.18,47.1 v1(83.54,47.1) ; v1(91.34,51.5) 91.32,51.52 90.59,51.52 ; 84.17,46.1 v1(83.54,46.1) ; 86.11,10.4 86.11,10.45 v1(86.56,10.9) ; 90.59,28.5 v1(91.34,28.5) ; 84.19,24 v1(83.54,24) ; 84.19,24 R90.2 v1(83.49,25.3) ; 84.19,24 84.19,23 v1(83.54,23) ; 84.19,11.41 84.19,12.38 84.17,12.4 R99.2 84.17,14.32 v1(84.14,14.35) ; R86.1 v1(93.14,25.2) ; 84.17,46.27 84.17,47.39 84.18,47.4 R69.2 84.18,49.09 v1(84.19,49.1) ; R77.2 v1(84.84,37.9) ; v1(89.79,37.7) 89.81,37.68 90.49,37.68 ; 89.69,50.5 v1(90.49,50.5) ; v1(89.79,14.45) 89.8,14.46 90.53,14.46 ; 90.59,40.02 91.36,40.02 v1(91.39,40.05) ; v1(89.84,49.3) 89.85,49.31 90.53,49.31 ; R98.2 v1(84.84,14.7) ; 84.21,34.5 v1(83.59,34.5) ; R89.2 v1(84.74,26.4) ; U18.2 v1(90.29,35.75) ; R75.1 v1(93.14,36.8) ; 84.19,34.7 84.19,35.8 84.18,35.81 R78.2 84.18,37.44 v1(84.19,37.45) ; U20.2 v1(90.49,12.55) ; v1(89.79,26.15) 89.8,26.16 90.53,26.16 ; 89.79,15.6 v1(90.64,15.6) ; R68.2 v1(84.79,49.5) ; R96.1 v1(93.14,13.6)
  Top w0.381: U26.2 71.68,23.29 70.74,23.29
  Top w0.508: 69.45,22.39 69.45,21.92 v1(69.85,21.53) ; U26.2 72.67,23.08 v1(72.9,23.31) ; 72.57,23.08 v1(72.9,22.75) ; C40.2 77.93,17.83 C39.2 76.07,16.99 C38.2 75.4,16.99 v1(74.86,17.53) ; 69.45,21.82 v1(69.19,21.55) ; C36.2 71.78,17.81 U9.2 v1(72.74,17.8) ; 83.99,30.7 v1(84.89,30.7) ; 83.99,42.3 v1(85.29,42.3)
  Bottom w0.25: v1(60.96,26.28) 60.31,26.28 60.31,27.28 v1(60.93,27.28) ; v1(58.53,17.53) 58.46,17.6 57.89,17.6 57.86,17.63 56.89,17.63 56.92,17.65 56.92,19.58 57.06,19.73 v1(58.58,19.73)
  Bottom w0.254: v2(59.78,28.98) 59.36,29.4 59.36,29.48
  Bottom w0.381: 58.24,23.38 58.32,23.38
  Bottom w0.508: v1(62.9,19) v1(62.9,18.4) v1(63.61,18.4) ; v1(62.9,19) 63.01,19 v1(63.61,18.4) ; v1(62.9,19) 62.9,19.4 R42.2 ; v1(63.61,18.4) v1(63.61,19) 63.61,19.41 R42.2 ; R42.2 63.26,19.28 ; R43.2 v1(54.06,11.8) ; R43.2 v1(54.8,12.8) ; R43.2 54.06,13.75 v1(54.05,13.76) ; v2(66.77,24.47) 65.23,24.47 R61.2 ; v1(64.97,34.51) 64.97,33.84 v1(64.98,33.83) 64.59,33.83 R40.2 64.59,34.51 v1(64.97,34.51)
  Bottom w0.762: v1(58.63,23.08) 58.32,23.38 R106.2 ; v1(58.63,23.08) 58.95,23.4 v1(59.09,23.4) 58.99,23.4 v1(58.62,23.76) ; v1(58.63,23.08) 58.09,23.08 R106.2 ; R106.2 58.17,23.76 v1(58.62,23.76) ; R106.2 58.24,23.38 v1(58.62,23.76)
  vias: v1(96.1,52.5) v1(96.1,47.4) v1(96.1,40.9) v1(96.1,35.8) v1(96.1,29.3) v1(96.1,24.2) v1(96.1,17.7) v1(96.1,12.6) v1(97.05,52.5) v1(97.05,47.4) v1(97.05,40.9) v1(97.05,35.8) v1(97.05,29.3) v1(97.05,24.2) v1(97.05,17.7) v1(97.05,12.6) v1(98,52.5) v1(98,47.4) v1(98,40.9) v1(98,35.8) v1(98,29.3) v1(98,24.2) v1(98,17.7) v1(98,12.6)
